# Altium PCB PCB.PcbDoc (part 1 of 4) (continued)
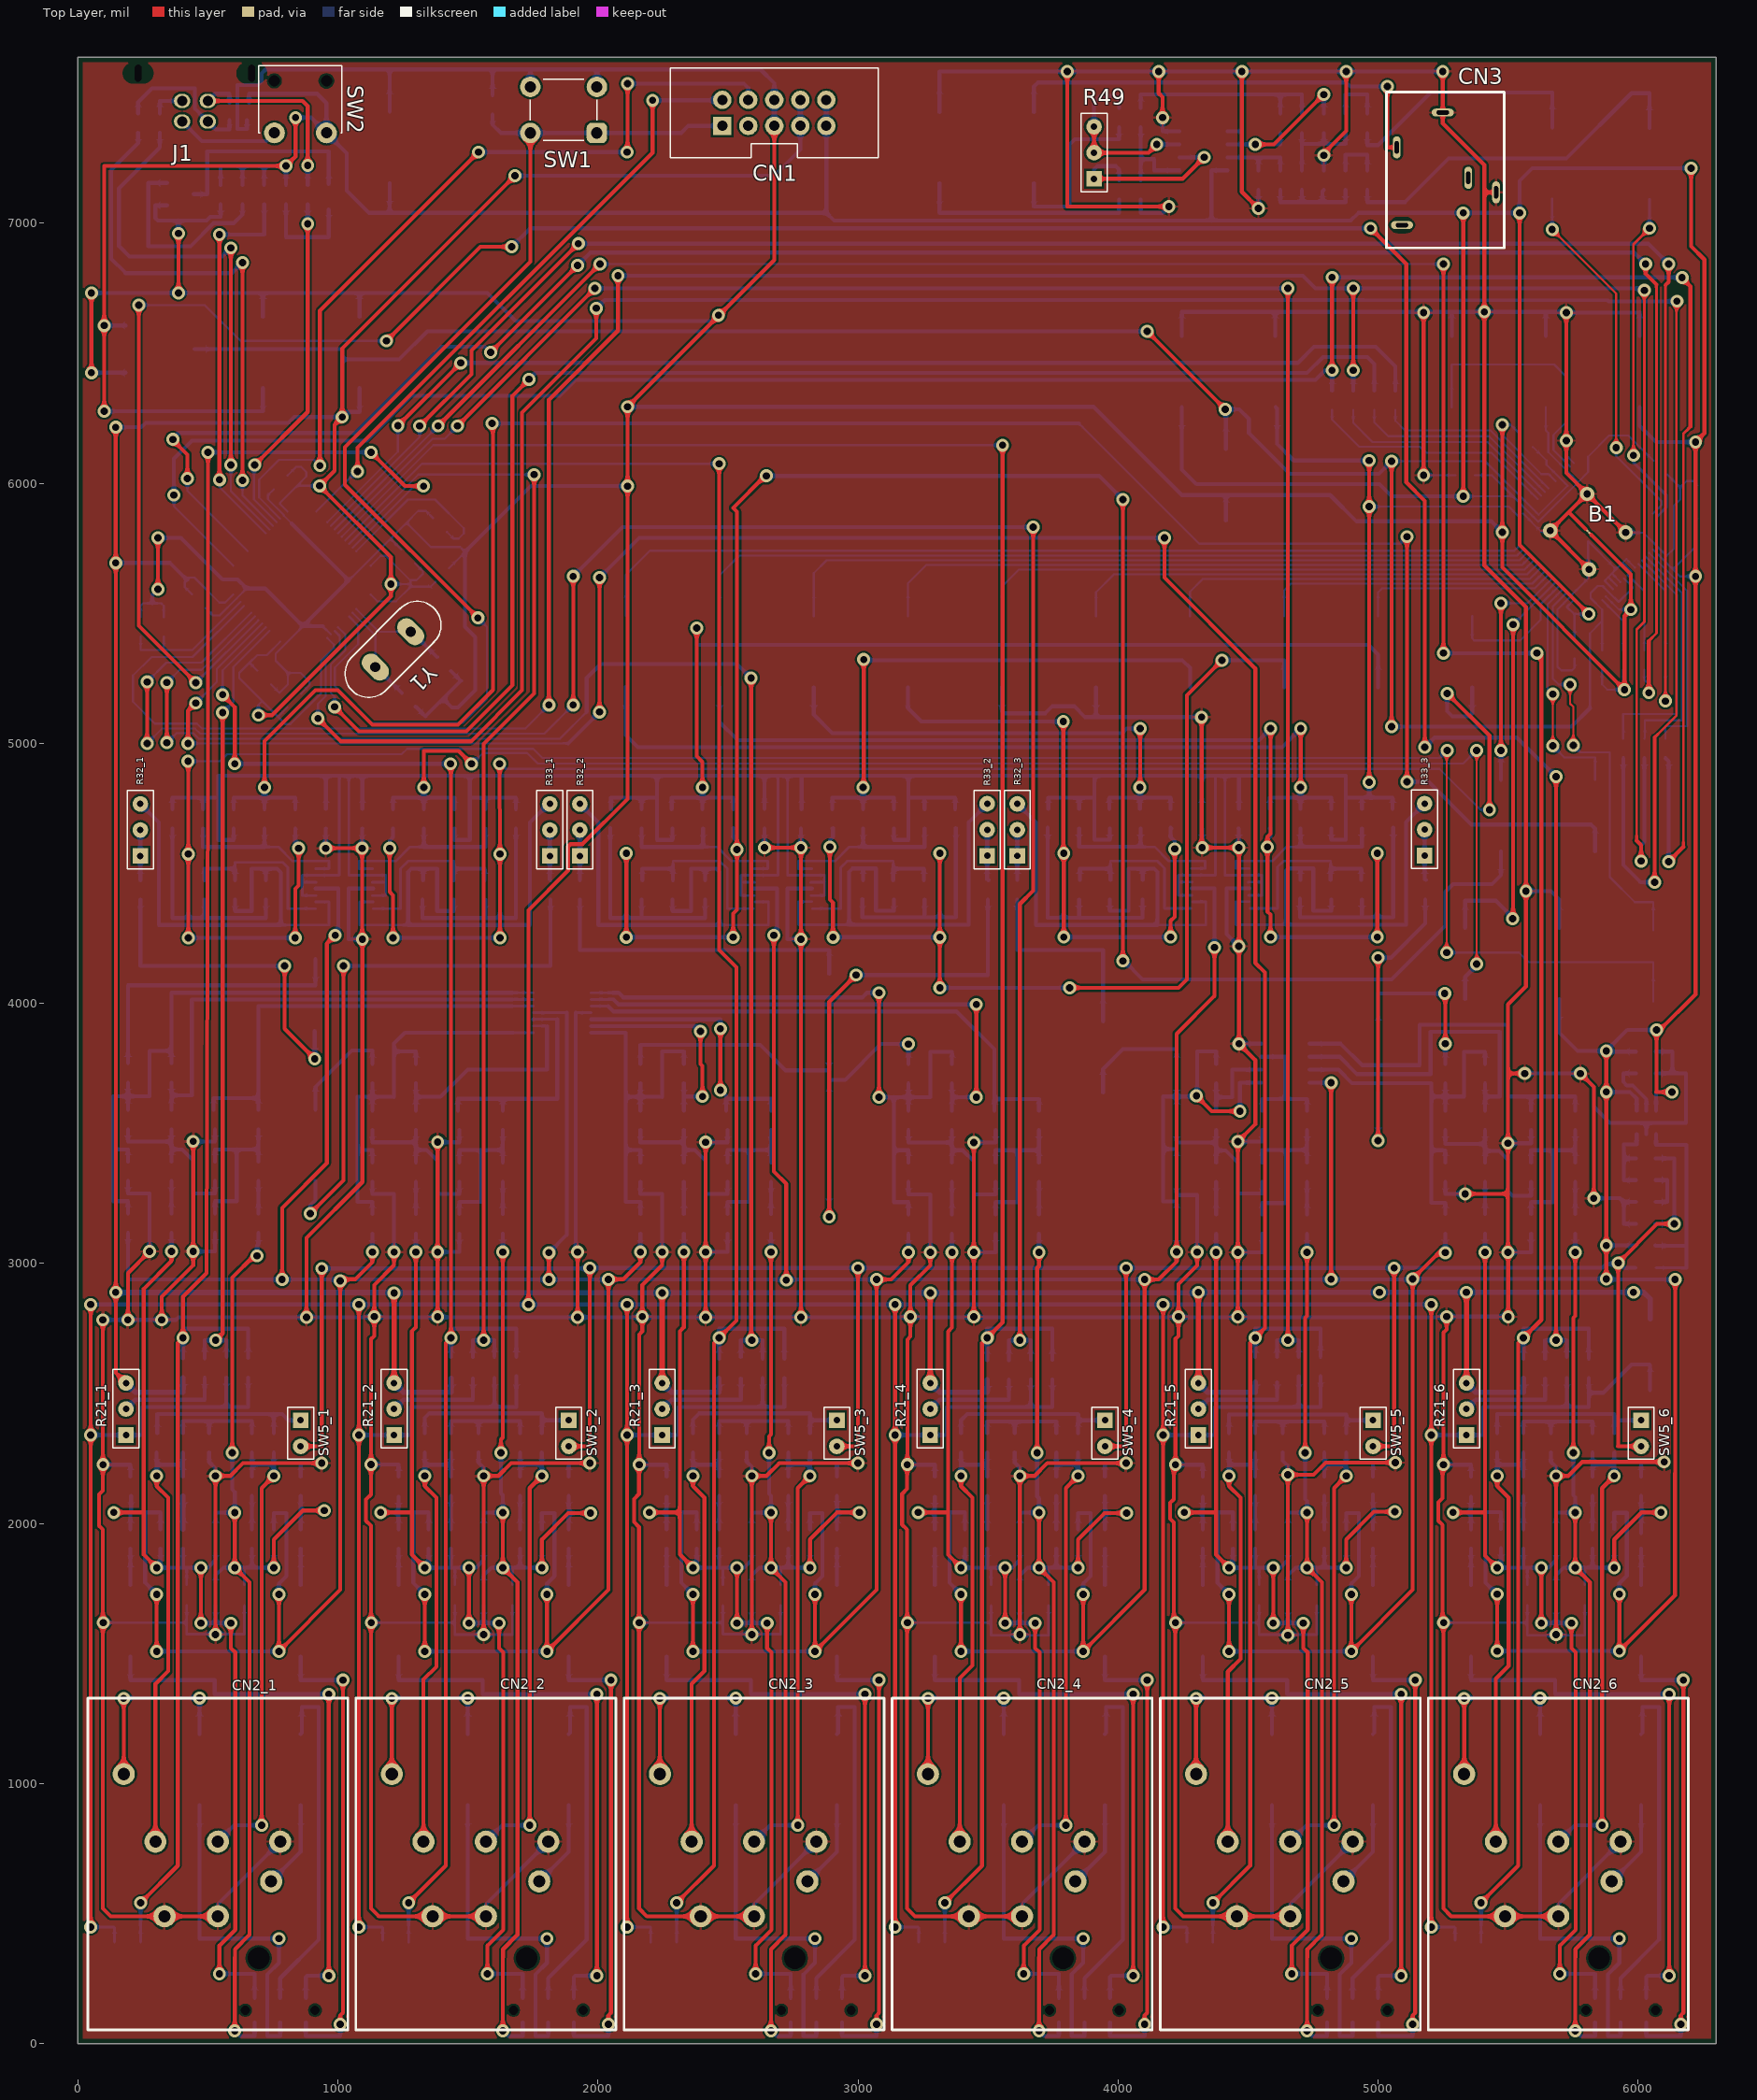
[diagram p0: Top Layer view]
## Components (designator, comment, footprint, x,y, rotation, side; value= is the part's Value field where it differs from the comment) (continued)
C42 "Capacitor polarizado" CAP_ELECTROLYTIC 4638.29,5351.87 r90 bottom
C43 "Capacitor polarizado" CAP_ELECTROLYTIC 2829.72,5351.87 r90 bottom
C44 "Capacitor polarizado" CAP_ELECTROLYTIC 3191.44,5351.87 r90 bottom
C45 "Capacitor polarizado" CAP_ELECTROLYTIC 2106.3,5353.54 r90 bottom
C46 "Capacitor polarizado" CAP_ELECTROLYTIC 2468.01,5351.87 r90 bottom
C47_1 "Capacitor polarizado" CAP_ELECTROLYTIC 856.3,1053.15 r270 bottom (schematic designator C47)
C47_2 "Capacitor polarizado" CAP_Electrolytic 1887.3,1053.15 r270 bottom (schematic designator C47)
C47_3 "Capacitor polarizado" CAP_Electrolytic 2918.31,1053.15 r270 bottom (schematic designator C47)
C47_4 "Capacitor polarizado" CAP_Electrolytic 3949.31,1053.15 r270 bottom (schematic designator C47)
C47_5 "Capacitor polarizado" CAP_Electrolytic 4980.31,1053.15 r270 bottom (schematic designator C47)
C47_6 "Capacitor polarizado" CAP_Electrolytic 6011.32,1053.15 r270 bottom (schematic designator C47)
C48_1 "Capacitor polarizado" CAP_ELECTROLYTIC 467.52,1053.15 r90 bottom (schematic designator C48)
C48_2 "Capacitor polarizado" CAP_Electrolytic 1498.52,1053.15 r90 bottom (schematic designator C48)
C48_3 "Capacitor polarizado" CAP_Electrolytic 2529.53,1053.15 r90 bottom (schematic designator C48)
C48_4 "Capacitor polarizado" CAP_Electrolytic 3560.53,1053.15 r90 bottom (schematic designator C48)
C48_5 "Capacitor polarizado" CAP_Electrolytic 4591.54,1053.15 r90 bottom (schematic designator C48)
C48_6 "Capacitor polarizado" CAP_Electrolytic 5622.54,1053.15 r90 bottom (schematic designator C48)
C49_1 "Capacitor" C0805 570.87,2598.82 r270 bottom (schematic designator C49)
C49_2 "Capacitor" C0805 1601.87,2596.36 r270 bottom (schematic designator C49)
C49_3 "Capacitor" C0805 2632.87,2596.36 r270 bottom (schematic designator C49)
C49_4 "Capacitor" C0805 3663.88,2591.44 r270 bottom (schematic designator C49)
C49_5 "Capacitor" C0805 4694.88,2596.36 r270 bottom (schematic designator C49)
C49_6 "Capacitor" C0805 5725.89,2596.36 r270 bottom (schematic designator C49)
C50_1 "Capacitor" C0805 654.53,2598.82 r270 bottom (schematic designator C50)
C50_2 "Capacitor" C0805 1685.53,2596.36 r270 bottom (schematic designator C50)
C50_3 "Capacitor" C0805 2716.54,2596.36 r270 bottom (schematic designator C50)
C50_4 "Capacitor" C0805 3747.54,2591.44 r270 bottom (schematic designator C50)
C50_5 "Capacitor" C0805 4778.54,2603.74 r270 bottom (schematic designator C50)
C50_6 "Capacitor" C0805 5809.55,2596.36 r270 bottom (schematic designator C50)
C51_1 "Capacitor" C0805 480.94,4709.65 r90 bottom (schematic designator C51)
C51_2 "Capacitor" C0805 2167.82,4709.65 r90 bottom (schematic designator C51)
C51_3 "Capacitor" C0805 3850.04,4710.14 r90 bottom (schematic designator C51)
C52_1 "Capacitor" C0805 1566.08,4709.65 r90 bottom (schematic designator C52)
C52_2 "Capacitor" C0805 3255.41,4709.65 r90 bottom (schematic designator C52)
C52_3 "Capacitor" C0805 4937.64,4710.14 r90 bottom (schematic designator C52)
C53_1 "Capacitor" C0805 835.27,4709.65 r270 bottom (schematic designator C53)
C53_2 "Capacitor" C0805 2522.15,4709.65 r270 bottom (schematic designator C53)
C53_3 "Capacitor" C0805 4204.37,4710.14 r270 bottom (schematic designator C53)
C54_1 "Capacitor" C0805 1211.75,4709.65 r270 bottom (schematic designator C54)
C54_2 "Capacitor" C0805 2901.08,4709.65 r270 bottom (schematic designator C54)
C54_3 "Capacitor" C0805 4583.31,4710.14 r270 bottom (schematic designator C54)
C55_1 "Capacitor" C0805 603.98,4436.52 r270 bottom (schematic designator C55)
C55_2 "Capacitor" C0805 2285.93,4436.52 r270 bottom (schematic designator C55)
C55_3 "Capacitor" C0805 3968.15,4437.01 r270 bottom (schematic designator C55)
C56_1 "Capacitor" C0805 1447.97,4436.52 r270 bottom (schematic designator C56)
C56_2 "Capacitor" C0805 3137.3,4436.52 r270 bottom (schematic designator C56)
C56_3 "Capacitor" C0805 4819.53,4437.01 r270 bottom (schematic designator C56)
C57_1 "Capacitor polarizado" CAP_ELECTROLYTIC 910.43,4032.97 r90 bottom (schematic designator C57)
C57_2 "Capacitor polarizado" CAP_ELECTROLYTIC 2888.78,3977.17 r270 bottom (schematic designator C57)
C57_3 "Capacitor polarizado" CAP_ELECTROLYTIC 3941.93,3794.29 r270 bottom (schematic designator C57)
C58_1 "Capacitor polarizado" CAP_ELECTROLYTIC 912.89,3454.72 r90 bottom (schematic designator C58)
C58_2 "Capacitor polarizado" CAP_ELECTROLYTIC 2888.78,3454.72 r90 bottom (schematic designator C58)
C58_3 "Capacitor polarizado" CAP_ELECTROLYTIC 5000,3727.85 r90 bottom (schematic designator C58)
C59_1 "Capacitor" C0805 953.38,4709.65 r270 bottom (schematic designator C59)
C59_2 "Capacitor" C0805 2640.26,4709.65 r270 bottom (schematic designator C59)
C59_3 "Capacitor" C0805 4322.48,4710.14 r270 bottom (schematic designator C59)
C60_1 "Capacitor" C0805 1094.98,4709.65 r270 bottom (schematic designator C60)
C60_2 "Capacitor" C0805 2782.97,4709.65 r270 bottom (schematic designator C60)
C60_3 "Capacitor" C0805 4465.2,4710.14 r270 bottom (schematic designator C60)
C61 "Capacitor" C0805 4623.52,7384.35 r270 bottom
C62 "Capacitor polarizado" CAP_ELECTROLYTIC 5669.29,7231.79 r270 bottom
C63 "Capacitor" C0805 4707.18,7165.35 r270 bottom
C64 "Capacitor polarizado" CAP_ELECTROLYTIC 3676.18,7290.85 r90 bottom
C65 "Capacitor polarizado" CAP_ELECTROLYTIC 6043.31,7229.33 r270 bottom
C66 "Capacitor" C0805 4539.86,7165.35 r270 bottom
C67 "Capacitor polarizado" CAP_ELECTROLYTIC 3313.09,7290.85 r90 bottom
C68 "Capacitor" C0805 6029.02,3814.56 r0 bottom
C69 "Capacitor" C0805 6028.54,3152.07 r180 bottom
C70 "Capacitor" C0805 6029.02,3730.9 r0 bottom
C71 "Capacitor" C0805 359.25,3732.78 r270 bottom
C72 "Capacitor" C0805 526.57,3353.84 r90 bottom
C73 "Capacitor" C0805 526.57,3553.15 r270 bottom
C74 "Capacitor" C0805 1299.21,3730.31 r270 bottom
C75 "Capacitor" C0805 1466.54,3351.38 r90 bottom
C76 "Capacitor" C0805 2330.22,3730.31 r270 bottom
C77 "Capacitor" C0805 1466.54,3550.69 r270 bottom
C78 "Capacitor" C0805 2497.54,3351.38 r90 bottom
C79 "Capacitor" C0805 2497.54,3550.69 r270 bottom
C80 "Capacitor" C0805 3361.22,3729.33 r270 bottom
C81 "Capacitor" C0805 3528.54,3350.39 r90 bottom
C82 "Capacitor" C0805 3528.54,3549.7 r270 bottom
C83 "Capacitor" C0805 4376.91,3729.33 r270 bottom
C84 "Capacitor" C0805 4554.07,3350.39 r90 bottom
C85 "Capacitor" C0805 4554.07,3549.7 r270 bottom
C86 "Capacitor" C0805 5410.93,3729.33 r270 bottom
C87 "Capacitor" C0805 5588.09,3350.39 r90 bottom
C88 "Capacitor" C0805 5588.09,3549.7 r270 bottom
C89_1 "Capacitor" C0805 403.54,2142.91 r270 bottom (schematic designator C89)
C89_2 "Capacitor" C0805 1434.25,2142.91 r270 bottom (schematic designator C89)
C89_3 "Capacitor" C0805 2465.26,2142.91 r270 bottom (schematic designator C89)
C89_4 "Capacitor" C0805 3496.26,2142.91 r270 bottom (schematic designator C89)
C89_5 "Capacitor" C0805 4527.26,2142.91 r270 bottom (schematic designator C89)
C89_6 "Capacitor" C0805 5558.27,2142.91 r270 bottom (schematic designator C89)
C90_1 "Capacitor" C0805 403.54,2310.23 r90 bottom (schematic designator C90)
C90_2 "Capacitor" C0805 1434.25,2310.23 r90 bottom (schematic designator C90)
C90_3 "Capacitor" C0805 2465.26,2310.23 r90 bottom (schematic designator C90)
C90_4 "Capacitor" C0805 3496.26,2310.23 r90 bottom (schematic designator C90)
C90_5 "Capacitor" C0805 4527.26,2310.23 r90 bottom (schematic designator C90)
C90_6 "Capacitor" C0805 5558.27,2310.23 r90 bottom (schematic designator C90)
C91_1 "Capacitor" C0805 504.43,2310.53 r270 bottom (schematic designator C91)
C91_2 "Capacitor" C0805 1540.35,2310.53 r270 bottom (schematic designator C91)
C91_3 "Capacitor" C0805 2571.36,2310.53 r270 bottom (schematic designator C91)
C91_4 "Capacitor" C0805 3602.36,2310.53 r270 bottom (schematic designator C91)
C91_5 "Capacitor" C0805 4633.37,2310.53 r270 bottom (schematic designator C91)
C91_6 "Capacitor" C0805 5664.37,2310.53 r270 bottom (schematic designator C91)
C92_1 "Capacitor" C0805 669.29,2310.23 r270 bottom (schematic designator C92)
C92_2 "Capacitor" C0805 1700.3,2310.23 r270 bottom (schematic designator C92)
C92_3 "Capacitor" C0805 2731.3,2310.23 r270 bottom (schematic designator C92)
C92_4 "Capacitor" C0805 3762.3,2310.23 r270 bottom (schematic designator C92)
C92_5 "Capacitor" C0805 4793.31,2310.23 r270 bottom (schematic designator C92)
C92_6 "Capacitor" C0805 5824.31,2310.23 r270 bottom (schematic designator C92)
C93_1 "Capacitor" C0805 669.29,2142.91 r270 bottom (schematic designator C93)
C93_2 "Capacitor" C0805 1700.3,2142.91 r270 bottom (schematic designator C93)
C93_3 "Capacitor" C0805 2731.3,2142.91 r270 bottom (schematic designator C93)
C93_4 "Capacitor" C0805 3762.3,2142.91 r270 bottom (schematic designator C93)
C93_5 "Capacitor" C0805 4793.31,2142.91 r270 bottom (schematic designator C93)
C93_6 "Capacitor" C0805 5824.31,2142.91 r270 bottom (schematic designator C93)
CN1 "STLINK V2 Mini_2" IDC10M 2677.85,7424.51 r0 top
CN2_1 "XRL_Jack_Combo_stereo" "Combo XLR Jack" 537.8,52.28 r90 top (schematic designator CN2)
CN2_2 "XRL_Jack_Combo_stereo" "Combo XLR Jack" 1568.8,52.28 r90 top (schematic designator CN2)
CN2_3 "XRL_Jack_Combo_stereo" "Combo XLR Jack" 2599.8,52.28 r90 top (schematic designator CN2)
CN2_4 "XRL_Jack_Combo_stereo" "Combo XLR Jack" 3630.81,52.28 r90 top (schematic designator CN2)
CN2_5 "XRL_Jack_Combo_stereo" "Combo XLR Jack" 4661.81,52.28 r90 top (schematic designator CN2)
CN2_6 "XRL_Jack_Combo_stereo" "Combo XLR Jack" 5692.81,52.28 r90 top (schematic designator CN2)
CN3 "jack_3.5mm" "Jack 3.5mm" 5248.52,7504.92 r270 top
D1 "Led color" SMD_0805_Diodo 964.57,7151.39 r270 bottom
D2 "PMEG6010" SOD128 6029.02,2982.86 r0 bottom
D3_1 "PMEG6010" SOD128 418.31,1724.11 r270 bottom (schematic designator D3)
D3_2 "PMEG6010" SOD128 1449.31,1724.11 r270 bottom (schematic designator D3)
D3_3 "PMEG6010" SOD128 2480.32,1724.11 r270 bottom (schematic designator D3)
D3_4 "PMEG6010" SOD128 3511.32,1724.11 r270 bottom (schematic designator D3)
D3_5 "PMEG6010" SOD128 4542.32,1724.11 r270 bottom (schematic designator D3)
D3_6 "PMEG6010" SOD128 5573.33,1724.11 r270 bottom (schematic designator D3)
D4_1 "PMEG6010" SOD128 639.76,1724.11 r270 bottom (schematic designator D4)
D4_2 "PMEG6010" SOD128 1670.77,1724.11 r270 bottom (schematic designator D4)
D4_3 "PMEG6010" SOD128 2701.77,1724.11 r270 bottom (schematic designator D4)
D4_4 "PMEG6010" SOD128 3732.78,1724.11 r270 bottom (schematic designator D4)
D4_5 "PMEG6010" SOD128 4763.78,1724.11 r270 bottom (schematic designator D4)
D4_6 "PMEG6010" SOD128 5794.78,1724.11 r270 bottom (schematic designator D4)
J1 "Micro_USB" "USB TYPE B" 449.8,7484.36 r180 top
L1 "0.68nH" L0805 6028.54,3068.41 r0 bottom
Q1 "BC817" SOT23 393.7,7112.02 r90 bottom
R1 "Resistor" R0805 1392.72,5839.07 r315 bottom
R2 "Resistor" R0805 799.6,7110.24 r90 bottom
R3 "Resistor" R0805 632.38,7109.55 r90 bottom
R4 "Resistor" R0805 716.05,7110.24 r270 bottom
R5 "Resistor" R0805 231.3,7385.15 r270 bottom
R6 "Resistor" R0805 883.37,7109.55 r270 bottom
R7 "Resistor" R0805 314.96,7385.15 r270 bottom
R8_1 "Resistor" R0805 201.77,1940.64 r90 bottom (schematic designator R8)
R8_2 "Resistor" R0805 1232.78,1940.64 r90 bottom (schematic designator R8)
R8_3 "Resistor" R0805 2263.78,1940.64 r90 bottom (schematic designator R8)
R8_4 "Resistor" R0805 3294.78,1940.64 r90 bottom (schematic designator R8)
R8_5 "Resistor" R0805 4325.79,1940.64 r90 bottom (schematic designator R8)
R8_6 "Resistor" R0805 5356.79,1940.64 r90 bottom (schematic designator R8)
R9_1 "Resistor" R0805 529.04,1940.64 r270 bottom (schematic designator R9)
R9_2 "Resistor" R0805 1560.04,1940.64 r270 bottom (schematic designator R9)
R9_3 "Resistor" R0805 2591.04,1940.64 r270 bottom (schematic designator R9)
R9_4 "Resistor" R0805 3622.05,1940.64 r270 bottom (schematic designator R9)
R9_5 "Resistor" R0805 4653.05,1940.64 r270 bottom (schematic designator R9)
R9_6 "Resistor" R0805 5684.06,1940.64 r270 bottom (schematic designator R9)
R10_1 "Resistor" R0805 856.3,1940.64 r90 bottom (schematic designator R10)
R10_2 "Resistor" R0805 1887.3,1940.64 r90 bottom (schematic designator R10)
R10_3 "Resistor" R0805 2918.31,1940.64 r90 bottom (schematic designator R10)
R10_4 "Resistor" R0805 3949.31,1940.64 r90 bottom (schematic designator R10)
R10_5 "Resistor" R0805 4980.31,1940.64 r90 bottom (schematic designator R10)
R10_6 "Resistor" R0805 6011.32,1940.64 r90 bottom (schematic designator R10)
R11 "Resistor" R0805 5942.42,5319.88 r90 bottom
R12 "Resistor" R0805 6104.82,4980.32 r270 bottom
R13 "Resistor" R0805 4822.83,6318.9 r270 bottom
R14 "Resistor" R0805 6023.62,4980.32 r270 bottom
R15 "Resistor" R0805 4904.04,6318.9 r270 bottom
R16 "Resistor" R0805 6023.62,5319.88 r270 bottom
R17 "Resistor" R0805 4985.24,6318.9 r270 bottom
R18 "Resistor" R0805 5942.42,4980.32 r270 bottom
R19 "Resistor" R0805 5066.44,6318.9 r270 bottom
R20 "Resistor" R0805 6104.82,5319.88 r270 bottom
R21_1 "Potenciometro" "Header 3x1" 184.55,2340.06 r90 top (schematic designator R21)
R21_2 "Potenciometro" "Header 3x1" 1215.55,2340.06 r90 top (schematic designator R21)
R21_3 "Potenciometro" "Header 3x1" 2246.55,2340.06 r90 top (schematic designator R21)
R21_4 "Potenciometro" "Header 3x1" 3277.56,2340.06 r90 top (schematic designator R21)
R21_5 "Potenciometro" "Header 3x1" 4308.56,2340.06 r90 top (schematic designator R21)
R21_6 "Potenciometro" "Header 3x1" 5339.57,2340.06 r90 top (schematic designator R21)
R22_1 "Resistor" R0805 403.54,2597.54 r270 bottom (schematic designator R22)
R22_2 "Resistor" R0805 1434.25,2595.08 r270 bottom (schematic designator R22)
R22_3 "Resistor" R0805 2465.26,2595.08 r270 bottom (schematic designator R22)
R22_4 "Resistor" R0805 3496.26,2590.16 r270 bottom (schematic designator R22)
R22_5 "Resistor" R0805 4527.26,2595.08 r270 bottom (schematic designator R22)
R22_6 "Resistor" R0805 5558.27,2595.08 r270 bottom (schematic designator R22)
R23_1 "Resistor" R0805 487.2,2597.54 r90 bottom (schematic designator R23)
R23_2 "Resistor" R0805 1518.21,2595.08 r90 bottom (schematic designator R23)
R23_3 "Resistor" R0805 2549.21,2595.08 r90 bottom (schematic designator R23)
R23_4 "Resistor" R0805 3580.22,2590.16 r90 bottom (schematic designator R23)
R23_5 "Resistor" R0805 4611.22,2595.08 r90 bottom (schematic designator R23)
R23_6 "Resistor" R0805 5642.22,2595.08 r90 bottom (schematic designator R23)
R24_1 "Resistor" R0805 599.05,4709.65 r90 bottom (schematic designator R24)
R24_2 "Resistor" R0805 2285.93,4709.65 r90 bottom (schematic designator R24)
R24_3 "Resistor" R0805 3968.15,4710.14 r90 bottom (schematic designator R24)
R25_1 "Resistor" R0805 1447.97,4709.65 r90 bottom (schematic designator R25)
R25_2 "Resistor" R0805 3137.3,4709.65 r90 bottom (schematic designator R25)
R25_3 "Resistor" R0805 4819.53,4710.14 r90 bottom (schematic designator R25)
R26_1 "Resistor" R0805 717.16,4709.65 r90 bottom (schematic designator R26)
R26_2 "Resistor" R0805 2401.57,4709.65 r90 bottom (schematic designator R26)
R26_3 "Resistor" R0805 4083.8,4710.14 r90 bottom (schematic designator R26)
R27_1 "Resistor" R0805 1329.86,4709.65 r90 bottom (schematic designator R27)
R27_2 "Resistor" R0805 3019.19,4709.65 r90 bottom (schematic designator R27)
R27_3 "Resistor" R0805 4701.42,4710.14 r90 bottom (schematic designator R27)
R28_1 "Resistor" R0805 362.83,4709.65 r90 bottom (schematic designator R28)
R28_2 "Resistor" R0805 2049.7,4709.65 r90 bottom (schematic designator R28)
R28_3 "Resistor" R0805 3731.93,4710.14 r90 bottom (schematic designator R28)
R29_1 "Resistor" R0805 1684.19,4709.65 r90 bottom (schematic designator R29)
R29_2 "Resistor" R0805 3373.52,4709.65 r90 bottom (schematic designator R29)
R29_3 "Resistor" R0805 5055.75,4710.14 r90 bottom (schematic designator R29)
R30_1 "Resistor" R0805 722.09,4436.52 r270 bottom (schematic designator R30)
R30_2 "Resistor" R0805 2411.42,4436.52 r270 bottom (schematic designator R30)
R30_3 "Resistor" R0805 4093.64,4437.01 r270 bottom (schematic designator R30)
R31_1 "Resistor" R0805 1329.86,4436.52 r270 bottom (schematic designator R31)
R31_2 "Resistor" R0805 3019.19,4436.52 r270 bottom (schematic designator R31)
R31_3 "Resistor" R0805 4701.42,4437.01 r270 bottom (schematic designator R31)
R32_1 "Potenciometro" "Header 3x1" 239.8,4566.93 r90 top (schematic designator R32)
R32_2 "Potenciometro" "Header 3x1" 1929.98,4566.93 r90 top (schematic designator R32)
R32_3 "Potenciometro" "Header 3x1" 3612.2,4567.42 r90 top (schematic designator R32)
R33_1 "Potenciometro" "Header 3x1" 1814.6,4566.93 r90 top (schematic designator R33)
R33_2 "Potenciometro" "Header 3x1" 3496.56,4567.81 r90 top (schematic designator R33)
R33_3 "Potenciometro" "Header 3x1" 5178.78,4568.31 r90 top (schematic designator R33)
R34_1 "Resistor" R0805 239.8,4436.52 r90 bottom (schematic designator R34)
R34_2 "Resistor" R0805 1929.98,4436.52 r90 bottom (schematic designator R34)
R34_3 "Resistor" R0805 3612.2,4437.01 r90 bottom (schematic designator R34)
R35_1 "Resistor" R0805 1817.07,4436.52 r90 bottom (schematic designator R35)
R35_2 "Resistor" R0805 3499.02,4436.52 r90 bottom (schematic designator R35)
R35_3 "Resistor" R0805 5181.24,4437.01 r90 bottom (schematic designator R35)
R36_1 "Resistor" R0805 485.86,4436.52 r270 bottom (schematic designator R36)
R36_2 "Resistor" R0805 2167.82,4436.52 r270 bottom (schematic designator R36)
R36_3 "Resistor" R0805 3850.04,4437.01 r270 bottom (schematic designator R36)
R37_1 "Resistor" R0805 1566.08,4436.52 r270 bottom (schematic designator R37)
R37_2 "Resistor" R0805 3255.41,4436.52 r270 bottom (schematic designator R37)
R37_3 "Resistor" R0805 4937.64,4437.01 r270 bottom (schematic designator R37)
R38 "Resistor" R0805 4707.18,7384.35 r90 bottom
R39 "Resistor" R0805 4958.17,7384.35 r90 bottom
R40 "Resistor" R0805 4874.51,7384.35 r270 bottom
R41 "Resistor" R0805 4790.84,7384.35 r90 bottom
R42 "Resistor" R0805 4087.11,7406.49 r270 bottom
R43 "Resistor" R0805 4958.17,7165.35 r90 bottom
R44 "Resistor" R0805 4874.51,7165.35 r270 bottom
R45 "Resistor" R0805 4623.52,7165.35 r90 bottom
R46 "Resistor" R0805 4003.44,7406.49 r270 bottom
R47 "Resistor" R0805 4087.11,7128.44 r90 bottom
R48 "Resistor" R0805 4790.85,7165.35 r270 bottom
R49 "Potenciometro" "Header 3x1" 3907.48,7171.16 r90 top
R50 "Resistor" R0805 4003.44,7128.44 r90 bottom
R51 "Resistor" R0805 317.42,1940.64 r270 bottom
R52 "Resistor" R0805 201.77,2142.91 r90 bottom
R53 "Resistor" R0805 752.95,1940.64 r270 bottom
R54 "Resistor" R0805 856.3,2142.91 r90 bottom
R55 "Resistor" R0805 1348.43,1940.64 r270 bottom
R56 "Resistor" R0805 1232.78,2140.44 r90 bottom
R57 "Resistor" R0805 1783.96,1940.64 r270 bottom
R58 "Resistor" R0805 1887.3,2142.91 r90 bottom
R59 "Resistor" R0805 2379.43,1940.64 r270 bottom
R60 "Resistor" R0805 2263.78,2140.44 r90 bottom
R61 "Resistor" R0805 2814.96,1940.64 r270 bottom
R62 "Resistor" R0805 2918.31,2148.13 r90 bottom
R63 "Resistor" R0805 3410.43,1940.64 r270 bottom
R64 "Resistor" R0805 3294.78,2140.44 r90 bottom
R65 "Resistor" R0805 3845.96,1940.64 r270 bottom
R66 "Resistor" R0805 3949.31,2145.67 r90 bottom
R67 "Resistor" R0805 4441.44,1940.64 r270 bottom
R68 "Resistor" R0805 4325.79,2140.44 r90 bottom
R69 "Resistor" R0805 4876.97,1940.64 r270 bottom
R70 "Resistor" R0805 4980.31,2142.91 r90 bottom
R71 "Resistor" R0805 5472.44,1941.44 r270 bottom
R72 "Resistor" R0805 5356.79,2140.44 r90 bottom
R73 "Resistor" R0805 5907.97,1940.64 r270 bottom
R74 "Resistor" R0805 6011.32,2142.91 r90 bottom
R75 "Resistor" R0805 6029.02,3403.49 r0 bottom
R76 "Resistor" R0805 6029.02,3319.97 r180 bottom
R77 "Resistor" R0805 6029.02,3236.31 r0 bottom
R78 "Resistor" R0805 191.93,3553.15 r90 bottom
R79 "Resistor" R0805 191.93,3154.53 r90 bottom
R80 "Resistor" R0805 191.93,3353.84 r270 bottom
R81 "Resistor" R0805 359.25,3154.53 r90 bottom
R82 "Resistor" R0805 359.25,3353.84 r90 bottom
R83 "Resistor" R0805 359.25,3553.15 r90 bottom
R84 "Resistor" R0805 191.93,3732.78 r90 bottom
R85 "Resistor" R0805 693.9,3151.08 r90 bottom
R86 "Resistor" R0805 693.9,3353.84 r90 bottom
R87 "Resistor" R0805 693.9,3553.15 r90 bottom
R88 "Resistor" R0805 526.57,3154.53 r90 bottom
R89 "Resistor" R0805 1131.89,3550.69 r90 bottom
R90 "Resistor" R0805 1131.89,3151.08 r90 bottom
R91 "Resistor" R0805 1131.89,3351.38 r270 bottom
R92 "Resistor" R0805 1299.21,3152.07 r90 bottom
R93 "Resistor" R0805 1299.21,3351.38 r90 bottom
R94 "Resistor" R0805 1299.21,3550.69 r90 bottom
R95 "Resistor" R0805 1131.89,3730.31 r90 bottom
R96 "Resistor" R0805 2162.89,3550.69 r90 bottom
R97 "Resistor" R0805 1633.86,3152.07 r90 bottom
R98 "Resistor" R0805 1633.86,3351.38 r90 bottom
R99 "Resistor" R0805 1633.86,3550.69 r90 bottom
R100 "Resistor" R0805 1466.54,3152.07 r90 bottom
R101 "Resistor" R0805 2162.89,3151.08 r90 bottom
R102 "Resistor" R0805 2162.89,3351.38 r270 bottom
R103 "Resistor" R0805 2330.22,3152.07 r90 bottom
R104 "Resistor" R0805 2330.22,3351.38 r90 bottom
R105 "Resistor" R0805 2330.22,3550.69 r90 bottom
R106 "Resistor" R0805 2162.89,3730.31 r90 bottom
R107 "Resistor" R0805 2664.86,3152.07 r90 bottom
R108 "Resistor" R0805 2664.86,3351.38 r90 bottom
R109 "Resistor" R0805 2664.86,3550.69 r90 bottom
R110 "Resistor" R0805 2497.54,3152.07 r90 bottom
R111 "Resistor" R0805 3193.9,3549.7 r90 bottom
R112 "Resistor" R0805 3193.9,3151.08 r90 bottom
R113 "Resistor" R0805 3193.9,3350.39 r270 bottom
R114 "Resistor" R0805 3361.22,3151.08 r90 bottom
R115 "Resistor" R0805 3361.22,3350.39 r90 bottom
R116 "Resistor" R0805 3361.22,3549.7 r90 bottom
R117 "Resistor" R0805 3193.9,3729.33 r90 bottom
R118 "Resistor" R0805 3695.87,3151.08 r90 bottom
R119 "Resistor" R0805 3695.87,3350.39 r90 bottom
R120 "Resistor" R0805 3695.87,3549.7 r90 bottom
R121 "Resistor" R0805 3528.54,3151.08 r90 bottom
R122 "Resistor" R0805 4224.76,3549.7 r90 bottom
R123 "Resistor" R0805 4224.76,3151.08 r90 bottom
R124 "Resistor" R0805 4224.76,3350.39 r270 bottom
R125 "Resistor" R0805 4376.91,3151.08 r90 bottom
R126 "Resistor" R0805 4376.91,3350.39 r90 bottom
R127 "Resistor" R0805 4376.91,3549.7 r90 bottom
R128 "Resistor" R0805 4224.76,3729.33 r90 bottom
R129 "Resistor" R0805 4726.32,3151.08 r90 bottom
R130 "Resistor" R0805 4726.32,3350.39 r90 bottom
R131 "Resistor" R0805 4726.32,3549.7 r90 bottom
R132 "Resistor" R0805 4554.07,3151.08 r90 bottom
R133 "Resistor" R0805 5258.37,3549.7 r90 bottom
R134 "Resistor" R0805 5258.37,3152.07 r90 bottom
R135 "Resistor" R0805 5258.37,3350.39 r270 bottom
R136 "Resistor" R0805 5410.93,3152.07 r90 bottom
R137 "Resistor" R0805 5410.93,3350.39 r90 bottom
R138 "Resistor" R0805 5410.93,3549.7 r90 bottom
R139 "Resistor" R0805 5258.37,3729.33 r90 bottom
R140 "Resistor" R0805 5757.87,3152.07 r90 bottom
R141 "Resistor" R0805 5757.87,3350.39 r90 bottom
R142 "Resistor" R0805 5757.87,3549.7 r90 bottom
R143 "Resistor" R0805 5588.09,3152.07 r90 bottom
R144_1 "Resistor" R0805 403.54,1940.64 r90 bottom (schematic designator R144)
R144_2 "Resistor" R0805 1434.25,1940.64 r90 bottom (schematic designator R144)
R144_3 "Resistor" R0805 2465.26,1940.64 r90 bottom (schematic designator R144)
R144_4 "Resistor" R0805 3496.26,1940.64 r90 bottom (schematic designator R144)
R144_5 "Resistor" R0805 4527.26,1940.64 r90 bottom (schematic designator R144)
R144_6 "Resistor" R0805 5558.27,1940.64 r90 bottom (schematic designator R144)
R145_1 "Resistor" R0805 302.66,2310.23 r270 bottom (schematic designator R145)
R145_2 "Resistor" R0805 1333.66,2310.23 r270 bottom (schematic designator R145)
R145_3 "Resistor" R0805 2364.67,2310.23 r270 bottom (schematic designator R145)
R145_4 "Resistor" R0805 3395.67,2310.23 r270 bottom (schematic designator R145)
R145_5 "Resistor" R0805 4426.67,2310.23 r270 bottom (schematic designator R145)
R145_6 "Resistor" R0805 5457.68,2310.23 r270 bottom (schematic designator R145)
R146_1 "Resistor" R0805 752.95,2310.23 r90 bottom (schematic designator R146)
R146_2 "Resistor" R0805 1783.96,2310.23 r90 bottom (schematic designator R146)
R146_3 "Resistor" R0805 2814.96,2310.23 r90 bottom (schematic designator R146)
R146_4 "Resistor" R0805 3845.96,2310.23 r90 bottom (schematic designator R146)
R146_5 "Resistor" R0805 4876.97,2310.23 r90 bottom (schematic designator R146)
R146_6 "Resistor" R0805 5907.97,2310.23 r90 bottom (schematic designator R146)
R147_1 "Resistor" R0805 669.29,1940.64 r90 bottom (schematic designator R147)
R147_2 "Resistor" R0805 1700.3,1940.64 r90 bottom (schematic designator R147)
R147_3 "Resistor" R0805 2731.3,1940.64 r90 bottom (schematic designator R147)
R147_4 "Resistor" R0805 3762.3,1940.64 r90 bottom (schematic designator R147)
R147_5 "Resistor" R0805 4793.31,1940.64 r90 bottom (schematic designator R147)
R147_6 "Resistor" R0805 5824.31,1940.64 r90 bottom (schematic designator R147)
SP1 "PRTR5V0U2X" SOT143B 620.08,7429.44 r180 bottom
SW1 "TAC_SWITCH_4" TAC_SW_4 1867.62,7436.02 r0 top
SW2 "OnOff_SW_SPST" SPST_TH_SW_Button_90º 855.41,7447.55 r180 top
SW3_1 "Slide_SW_DPDT" DPDT_SMD_SLIDE_90º 777.56,127.95 r180 bottom (schematic designator SW3)
SW3_2 "Slide_SW_DPDT" DPDT_SMD_Slide_90º 1808.56,127.95 r180 bottom (schematic designator SW3)
SW3_3 "Slide_SW_DPDT" DPDT_SMD_Slide_90º 2839.57,127.95 r180 bottom (schematic designator SW3)
SW3_4 "Slide_SW_DPDT" DPDT_SMD_Slide_90º 3870.57,127.95 r180 bottom (schematic designator SW3)
SW3_5 "Slide_SW_DPDT" DPDT_SMD_Slide_90º 4901.57,127.95 r180 bottom (schematic designator SW3)
SW3_6 "Slide_SW_DPDT" DPDT_SMD_Slide_90º 5932.58,127.95 r180 bottom (schematic designator SW3)
SW4_1 "TAC_SWITCH_4" SPDT_SMD_90º 265.75,238.68 r90 bottom (schematic designator SW4)
SW4_2 "TAC_SWITCH_4" SPDT_SMD_90º 1296.75,238.68 r90 bottom (schematic designator SW4)
SW4_3 "TAC_SWITCH_4" SPDT_SMD_90º 2327.76,238.68 r90 bottom (schematic designator SW4)
SW4_4 "TAC_SWITCH_4" SPDT_SMD_90º 3358.76,238.68 r90 bottom (schematic designator SW4)
SW4_5 "TAC_SWITCH_4" SPDT_SMD_90º 4389.76,238.68 r90 bottom (schematic designator SW4)
SW4_6 "TAC_SWITCH_4" SPDT_SMD_90º 5420.77,238.68 r90 bottom (schematic designator SW4)
SW5_1 "TAC_SWITCH_4" "Header 2x1" 856.3,2396.65 r270 top (schematic designator SW5)
SW5_2 "TAC_SWITCH_4" "Header 2x1" 1887.3,2396.65 r270 top (schematic designator SW5)
SW5_3 "TAC_SWITCH_4" "Header 2x1" 2918.31,2396.65 r270 top (schematic designator SW5)
SW5_4 "TAC_SWITCH_4" "Header 2x1" 3949.31,2396.65 r270 top (schematic designator SW5)
SW5_5 "TAC_SWITCH_4" "Header 2x1" 4980.31,2396.65 r270 top (schematic designator SW5)
SW5_6 "TAC_SWITCH_4" "Header 2x1" 6011.32,2396.65 r270 top (schematic designator SW5)
U1 "LM1117" SOT223 334.64,6515.75 r90 bottom
U2 "STM32F401RB" LQFP64-10X10MM 861.3,5627.46 r135 bottom value=Value
U3 "Part Number: PCM3168A" PAP64_7X7P26 5807.09,5814.47 r315 bottom
U4_1 "OPA4134" TSSOP-14 1024.74,4441.44 r0 bottom (schematic designator U4)
U4_2 "OPA4134" TSSOP-14 2711.61,4441.44 r0 bottom (schematic designator U4)
U4_3 "OPA4134" TSSOP-14 4393.84,4441.93 r0 bottom (schematic designator U4)
U5 "Opamp_x2" D8 4328.25,7278.54 r180 bottom
U6 "LT8330" S6 6031.5,3542.6 r90 bottom
U7 "OPA4134" TSSOP-14 1862.7,3964.07 r0 bottom
U8 "OPA2134" D8 4643.21,3769.68 r0 bottom
Y1 "XTAL" XTAL_HC49/US_HS 1211.61,5361.22 r225 top

## Footprints (in the part's own frame and the unit in brackets; to place one, negate y for a bottom-side part, rotate by r counter-clockwise, add the part's x,y. Pads: shape width x height; smd on the part's side, far side on the other; paste and mask are expansions set on the pad)
C0805 [mm] "Capacitor SMD 0805"
  rect 1.3x1.5 smd: 1(-0.95,0) 2(0.95,0)
  silkscreen extent -1.07,-0.95 1.07,0.95, body extent -1,-0.62 1,0.63, height 0.8
CAP_ELECTROLYTIC [mil]
  rect 140x75 smd paste+0 mask+0: 1(-137,0) 2(137,0)
  silkscreen extent -172,-172 172,172
CAP_Electrolytic [mil]
  rect 140x75 smd paste+0 mask+0: 1(-137,0) 2(137,0)
  silkscreen extent -173,-173 173,173
"Combo XLR Jack" [mil]
  round 85 hole 47: 1(724,-240) 2(724,240) 3(724,0) G(437,0) R(571,-205) S(437,205) T(984,362)
  round 0 hole 83 unplated: Mount(276,-157)
  silkscreen extent 0,-500 1276,500
D8 [mil]
  rect 86x22 smd paste+0 mask+0: 1(-93,75) 2(-93,25) 3(-93,-25) 4(-93,-75) 5(93,-75) 6(93,-25) 7(93,25) 8(93,75)
  silkscreen extent -122,-104 84,127
DPDT_SMD_SLIDE_90º [mm]
  rect 1x1.6 smd: 1(-2.5,1.2) 2(0,1.2) 3(2.5,1.2) 4(-2.5,-1.2) 5(0,-1.2) 6(2.5,-1.2)
  round 0 hole 0.9 unplated: 7(-3.4,0) 8(3.4,0)
  silkscreen extent -4.5,-1.8 4.5,1.8
DPDT_SMD_Slide_90º [mm]
  rect 1x1.6 smd: 1(-2.5,1.2) 2(0,1.2) 3(2.5,1.2) 4(-2.5,-1.2) 5(0,-1.2) 6(2.5,-1.2)
  round 0 hole 0.9 unplated: 7(-3.4,0) 8(3.4,0)
  silkscreen extent -4.5,-1.8 4.5,1.8
"Header 2x1" [mil]
  rect 60x60 hole 25: 1(0,0)
  round 60 hole 25: 2(100,0)
  silkscreen extent -50,-50 150,50
"Header 3x1" [mil]
  rect 60x60 hole 25: 1(0,0)
  round 60 hole 25: 2(100,0) 3(200,0)
  silkscreen extent -50,-50 252,50
IDC10M [mm] "10 pin IDC male header connector"
  rect 1.8x1.8 hole 1: 1(-5.08,-1.27)
  round 1.8 hole 1: 2(-5.08,1.27) 3(-2.54,-1.27) 4(-2.54,1.27) 5(0,-1.27) 6(0,1.27) 7(2.54,-1.27) 8(2.54,1.27) 9(5.08,-1.27) 10(5.08,1.27)
  silkscreen extent -10.15,-4.4 10.15,4.4, body extent -10.15,-4.4 10.15,4.7, height 9.3
"Jack 3.5mm" [mil]
  oval 30x85 hole 47 slot 16 at 0 deg: 1(79,0) 4(512,-157)
  oval 85x30 hole 16 slot 47 at 0 deg: 2(386,205) 3(330,98) 5(213,-177)
  silkscreen extent 0,-217 600,236
L0805 [mm] "Capacitor SMD 0805"
  rect 1.3x1.5 smd: 1(-0.95,0) 2(0.95,0)
  silkscreen extent -1.07,-0.95 1.07,0.95, body extent -1,-0.62 1,0.63, height 0.8
LQFP64-10X10MM [mil]
  rect 47x12 smd: 1(-226.38,147.64) 2(-226.38,127.95) 3(-226.38,108.27) 4(-226.38,88.58) 5(-226.38,68.9) 6(-226.38,49.21) 7(-226.38,29.53) 8(-226.38,9.84) 9(-226.38,-9.84) 10(-226.38,-29.53) 11(-226.38,-49.21) 12(-226.38,-68.9) 13(-226.38,-88.58) 14(-226.38,-108.27) 15(-226.38,-127.95) 16(-226.38,-147.64) 33(226.38,-147.64) 34(226.38,-127.95) 35(226.38,-108.27) 36(226.38,-88.58) 37(226.38,-68.9) 38(226.38,-49.21) 39(226.38,-29.53) 40(226.38,-9.84) 41(226.38,9.84) 42(226.38,29.53) 43(226.38,49.21) 44(226.38,68.9) 45(226.38,88.58) 46(226.38,108.27) 47(226.38,127.95) 48(226.38,147.64)
  rect 12x47 smd: 17(-147.64,-226.38) 18(-127.95,-226.38) 19(-108.27,-226.38) 20(-88.58,-226.38) 21(-68.9,-226.38) 22(-49.21,-226.38) 23(-29.53,-226.38) 24(-9.84,-226.38) 25(9.84,-226.38) 26(29.53,-226.38) 27(49.21,-226.38) 28(68.9,-226.38) 29(88.58,-226.38) 30(108.27,-226.38) 31(127.95,-226.38) 32(147.64,-226.38) 49(147.64,226.38) 50(127.95,226.38) 51(108.27,226.38) 52(88.58,226.38) 53(68.9,226.38) 54(49.21,226.38) 55(29.53,226.38) 56(9.84,226.38) 57(-9.84,226.38) 58(-29.53,226.38) 59(-49.21,226.38) 60(-68.9,226.38) 61(-88.58,226.38) 62(-108.27,226.38) 63(-127.95,226.38) 64(-147.64,226.38)
  silkscreen extent -290,-202 202,202
PAP64_7X7P26 [mm]
  rect 1.461x0.219 smd paste+0 mask+0: 1(-5.725,3.75) 2(-5.725,3.25) 3(-5.725,2.75) 4(-5.725,2.25) 5(-5.725,1.75) 6(-5.725,1.25) 7(-5.725,0.75) 8(-5.725,0.25) 9(-5.725,-0.25) 10(-5.725,-0.75) 11(-5.725,-1.25) 12(-5.725,-1.75) 13(-5.725,-2.25) 14(-5.725,-2.75) 15(-5.725,-3.25) 16(-5.725,-3.75) 33(5.725,-3.75) 34(5.725,-3.25) 35(5.725,-2.75) 36(5.725,-2.25) 37(5.725,-1.75) 38(5.725,-1.25) 39(5.725,-0.75) 40(5.725,-0.25) 41(5.725,0.25) 42(5.725,0.75) 43(5.725,1.25) 44(5.725,1.75) 45(5.725,2.25) 46(5.725,2.75) 47(5.725,3.25) 48(5.725,3.75)
  rect 0.219x1.461 smd paste+0 mask+0: 17(-3.75,-5.725) 18(-3.25,-5.725) 19(-2.75,-5.725) 20(-2.25,-5.725) 21(-1.75,-5.725) 22(-1.25,-5.725) 23(-0.75,-5.725) 24(-0.25,-5.725) 25(0.25,-5.725) 26(0.75,-5.725) 27(1.25,-5.725) 28(1.75,-5.725) 29(2.25,-5.725) 30(2.75,-5.725) 31(3.25,-5.725) 32(3.75,-5.725) 49(3.75,5.725) 50(3.25,5.725) 51(2.75,5.725) 52(2.25,5.725) 53(1.75,5.725) 54(1.25,5.725) 55(0.75,5.725) 56(0.25,5.725) 57(-0.25,5.725) 58(-0.75,5.725) 59(-1.25,5.725) 60(-1.75,5.725) 61(-2.25,5.725) 62(-2.75,5.725) 63(-3.25,5.725) 64(-3.75,5.725)
  rect 7.26x7 smd paste-3.617 mask-3.619: EPAD(0,0)
  silkscreen extent -7.93,-7.11 7.11,7.11, body extent 0,0 0.25,0.25, height 0.25
R0805 [mm] "Resistor SMD 0805"
  rect 1.3x1.5 smd: 1(-0.95,0) 2(0.95,0)
  silkscreen extent -1.07,-0.95 1.07,0.95, body extent -1,-0.63 1,0.63, height 0.43
S6 [mil]
  rect 48x20 smd paste+0 mask+0: 1(-45,37.4) 2(-45,0) 3(-45,-37.4) 4(45,-37.4) 5(45,0) 6(45,37.4)
  silkscreen extent -55,-62 40,80
SMD_0805_Diodo [mm] "Diodo SMD"
  rect 1.1x1.25 smd: 1(0,0) 2(2.5,0)
  silkscreen extent -0.38,-0.89 2.92,0.89
SOD128 [mil]
  rect 53.5x18 smd paste+0 mask+0: 1(-40.25,0) 2(40.25,0)
  silkscreen extent -142,-32 75,32, body extent -75,-30 75,30, height 20
SOT23 [mm]
  rect 1.4x1.4 smd: 1(1.1,-1.3)
  rect 1.2x1.4 smd: 2(-1.1,-1.3)
  rect 2.8x1.4 smd: 3(0,1.3)
  silkscreen extent -2.25,-2.3 2.25,2.3, body extent -1.5,-1.8 1.5,1.8, height 1.4
SOT143B [mm]
  rect 1x0.8 smd: 1(-0.75,-0.85)
  rect 0.6x0.8 smd: 2(0.95,-0.85) 3(0.95,0.85) 4(-0.95,0.85)
  silkscreen extent -1.45,-0.65 1.45,0.65
SOT223 [mm]
  rect 0.95x2.15 smd: 1(-2.3,-2.9) 2(0,-2.9) 3(2.3,-2.9)
  rect 3.75x2.15 smd: 4(0,2.9)
  silkscreen extent -3.56,-4.42 3.56,4.72, body extent -3.05,-3.17 3.05,3.68, height 1.7
SPDT_SMD_90º [mm] "TAC SWITCH de 4"
  rect 1.7x0.7 smd: 1(3.85,1.9) 2(3.85,-0.64) 3(3.85,-3.18)
  rect 1.1x1.55 smd: 4(-1.905,4.875) 5(1.905,4.875) 6(-1.905,-4.875) 7(1.905,-4.875)
  silkscreen extent -4.75,-4.25 4.2,4.25
SPST_TH_SW_Button_90º [mil]
  round 80 hole 43: 1(100,100) 2(-100,100)
  round 0 hole 43: 3(100,-100)
  round 0 hole 43 unplated: 4(-100,-100)
  silkscreen extent -160,-158 160,100
TAC_SW_4 [mm] "TAC SWITCH de 4"
  round 2 hole 1.1: 1(-3.25,-2.25) 2(-3.25,2.25) 2(3.25,2.25)
  rrect50% 2x2 hole 1.1: 1(3.25,-2.25)
  silkscreen extent -3.25,-3 3.25,3, body extent -3.87,-3.01 3.87,3.02, height 5.01
TRACK_8MIL [mm] "Track 8 mils"
  rect 0.255x0.203 smd paste+0 mask+0: 1(-0.125,0)
  rect 0.255x0.203 smd mask+0: 2(0.125,0)
TSSOP-14 [mil]
  rect 66x14 smd paste+0 mask+0: 1(-111,76.77) 2(-111,51.18) 3(-111,25.59) 4(-111,0) 5(-111,-25.59) 6(-111,-51.18) 7(-111,-76.77) 8(111,-76.77) 9(111,-51.18) 10(111,-25.59) 11(111,0) 12(111,25.59) 13(111,51.18) 14(111,76.77)
  silkscreen extent -130,-106 94,125
"USB TYPE B" [mm] "Molex 67068-XX1X"
  oval 1.6x1.4 hole 1: 1(1.25,2.355) 2(-1.25,2.355) 3(-1.25,0.355) 4(1.25,0.355)
  round 0 hole 1.65 slot 0.65 at 0 deg unplated: 5(-5.55,-2.355) 6(5.55,-2.355)
XTAL_HC49/US_HS [mm]
  oval 1.8x3 hole 1: 1(-2.44,0) 2(2.44,0)
  silkscreen extent -5.67,-2.32 5.67,2.32, body extent -5.59,-2.29 5.59,2.29, height 1